# Altium PCB Inverter_540VDC_V2.1.PcbDoc (part 1 of 2)
Units mm, origin at the board's own origin, x right, y up, seen from the top; angles counter-clockwise.
Board outline 120 x 74.98 mm, 2 copper layers (Top Layer, Bottom Layer), stack 2.071 mm thick; 237 components, 120 nets, 558 pads, 101 vias.
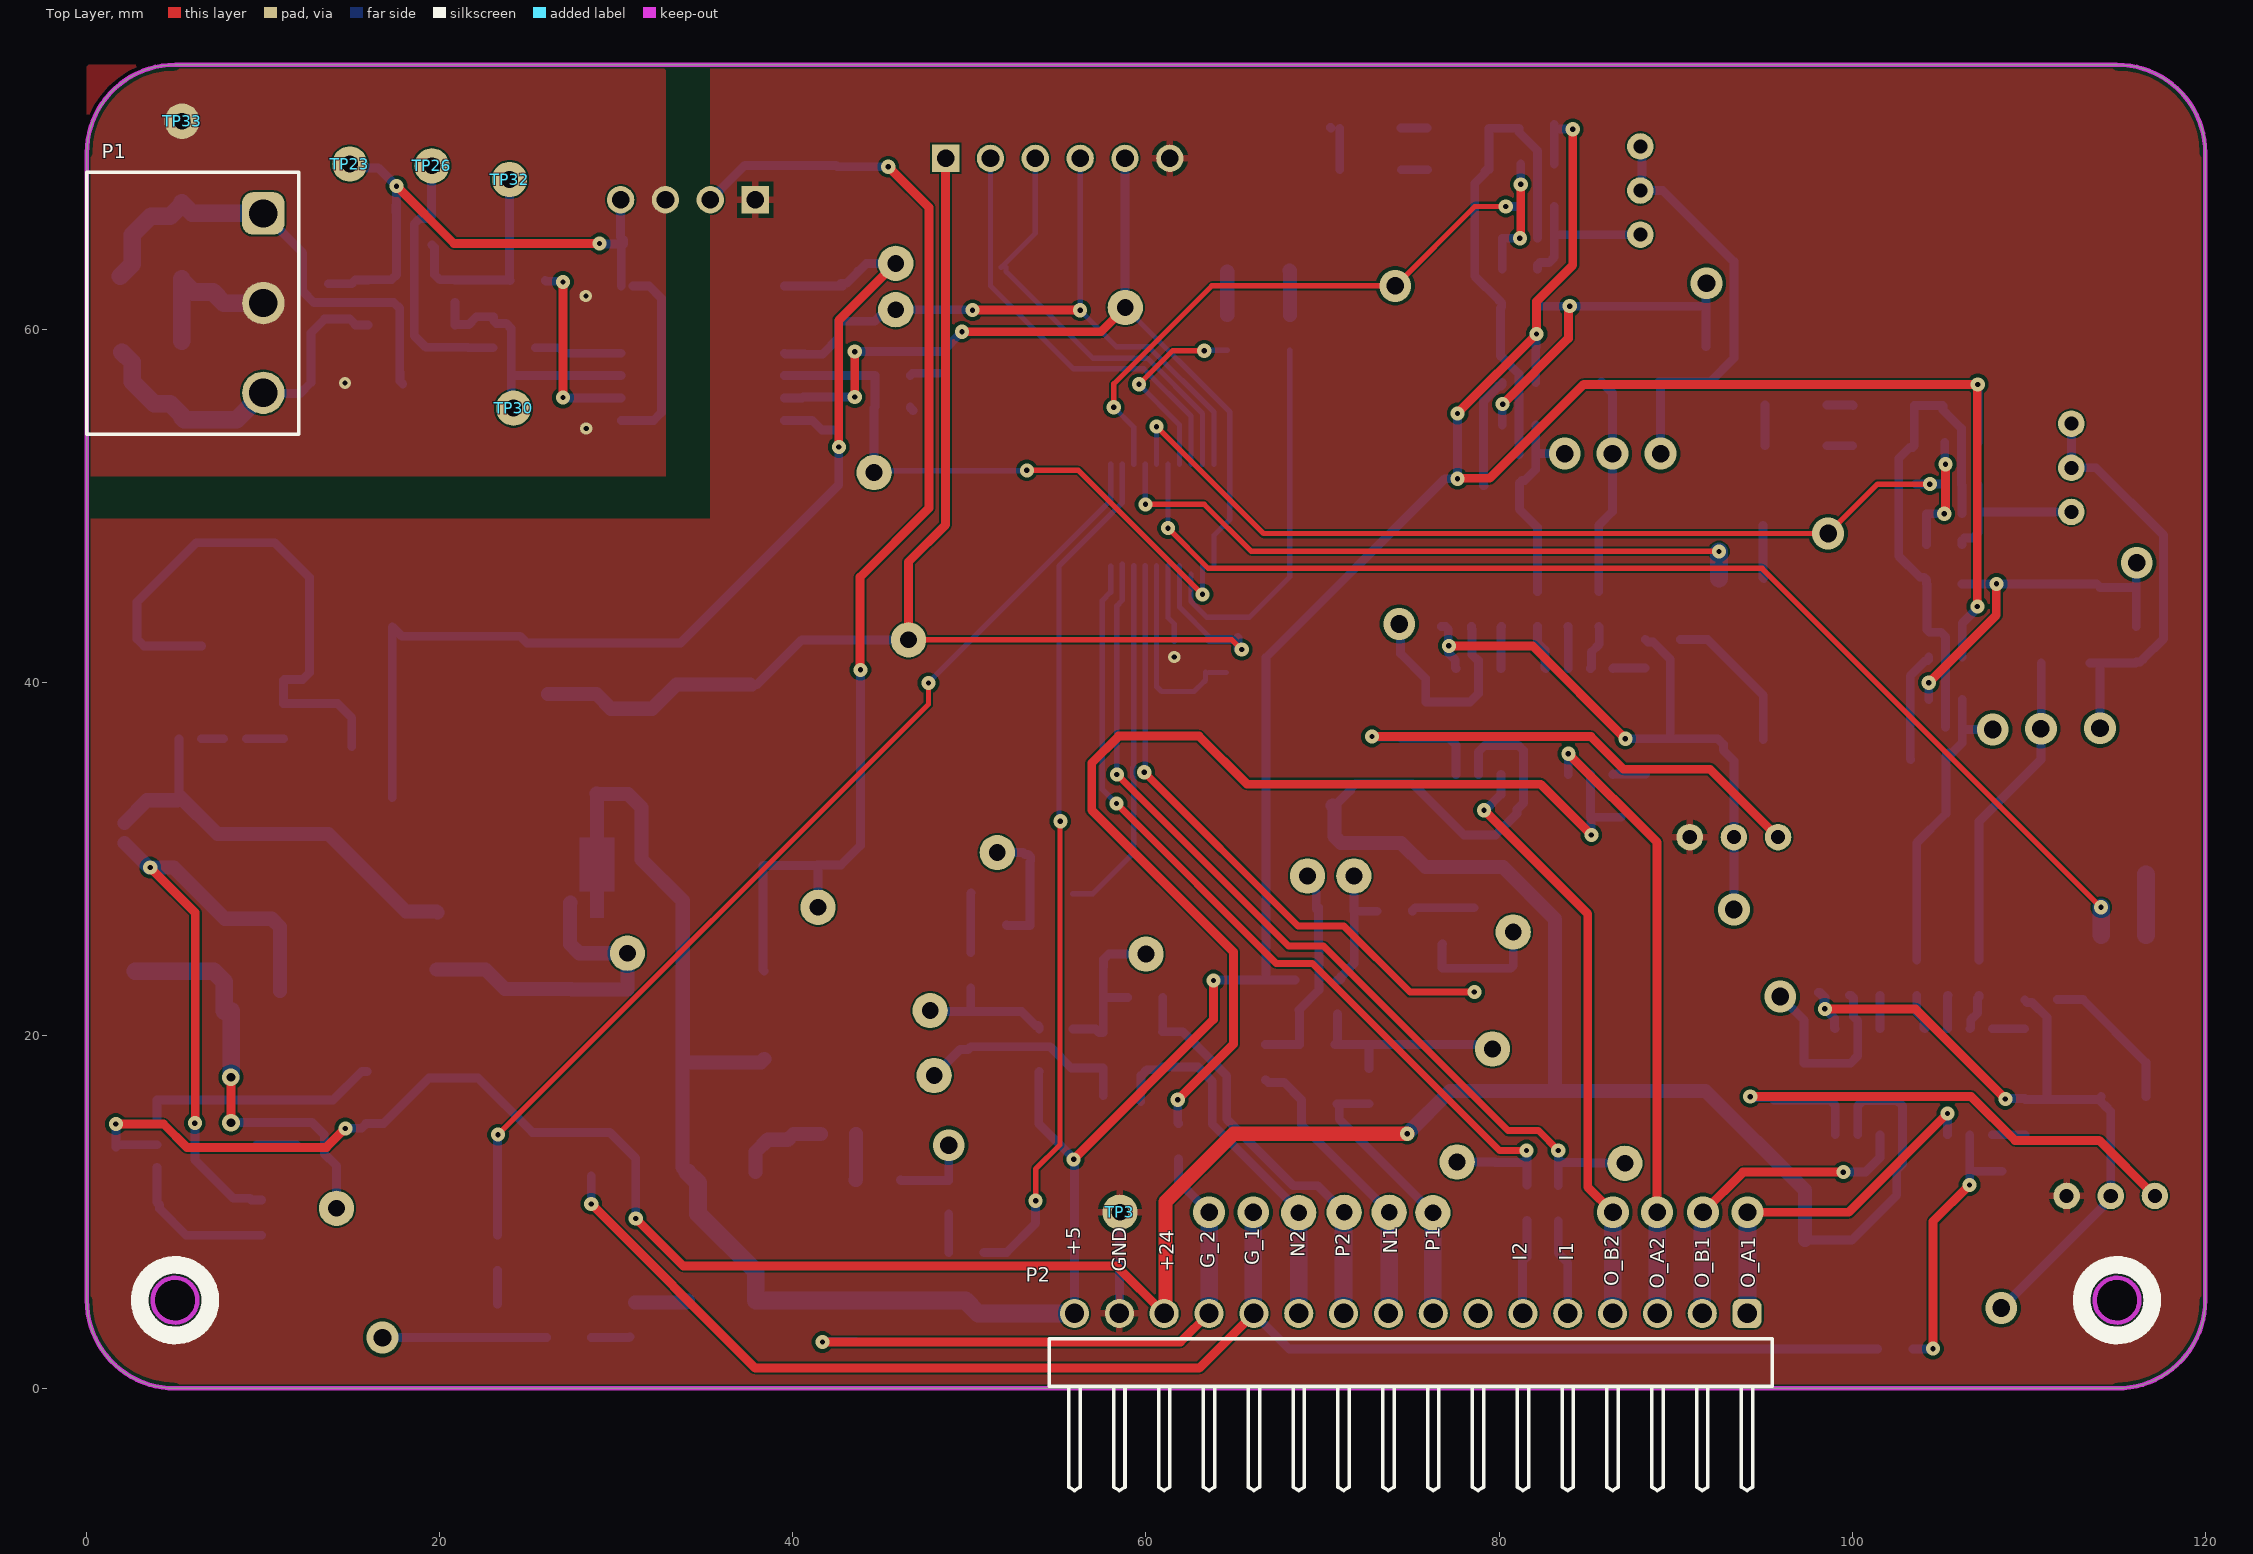
[diagram p0: Top Layer view]
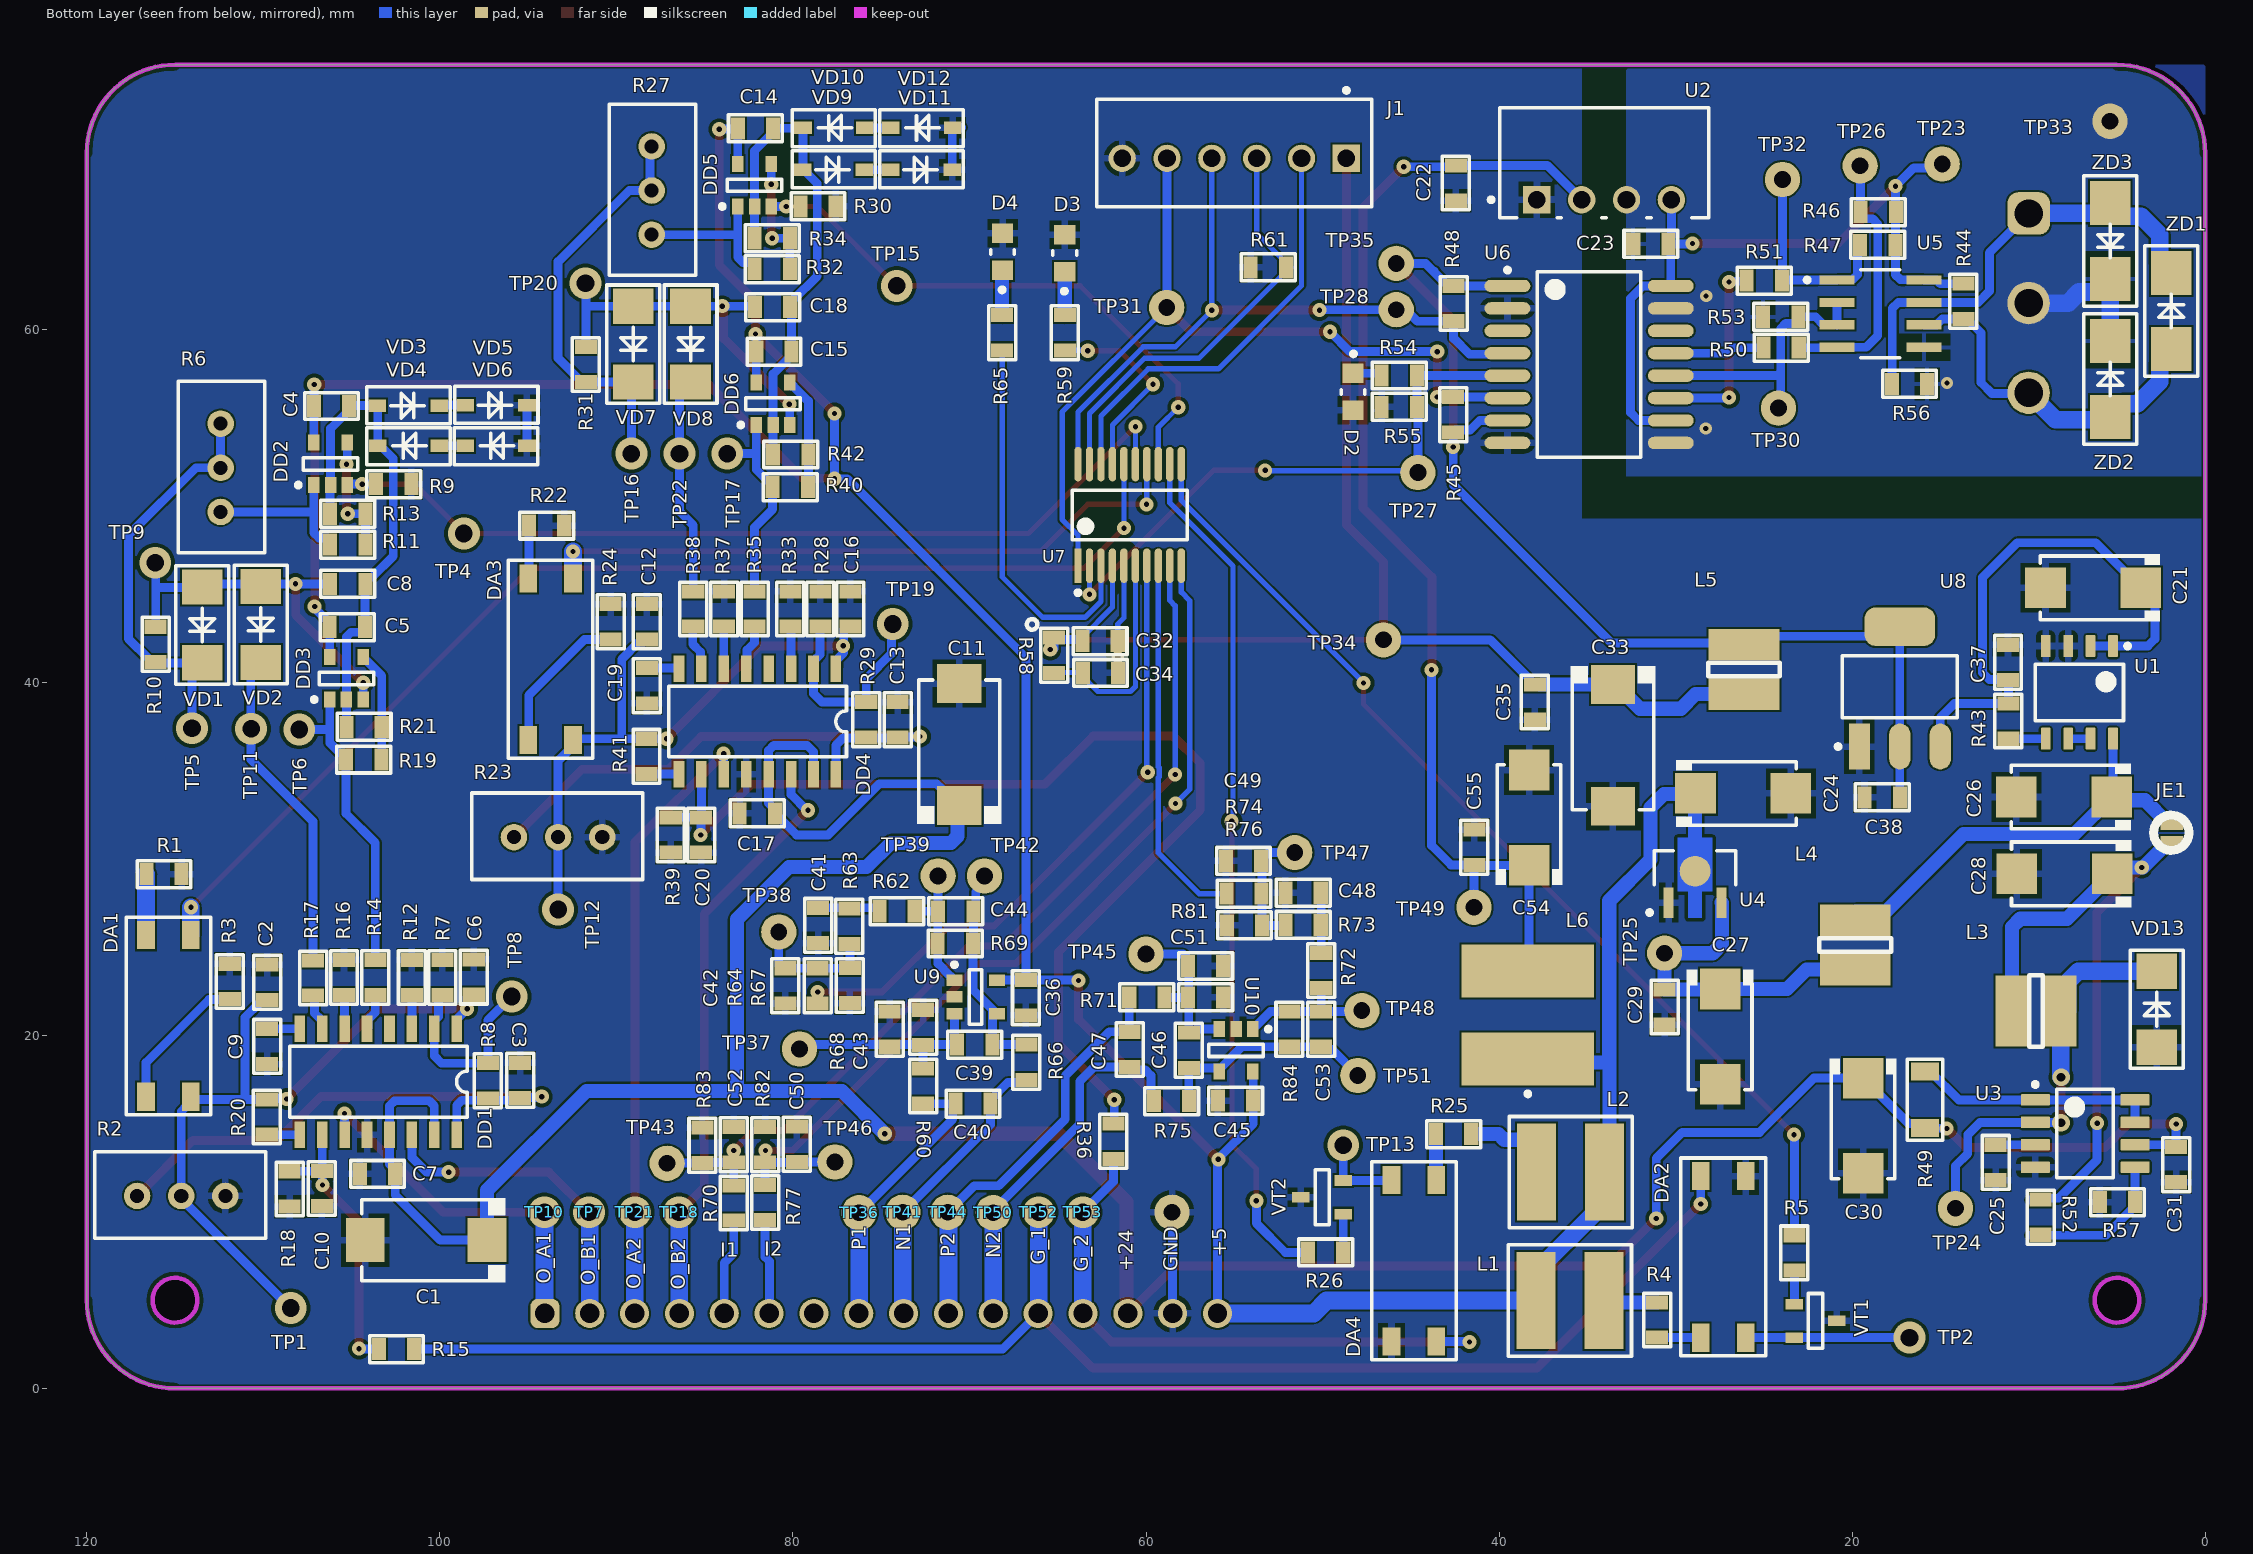
[diagram p1: Bottom Layer view, seen from below]
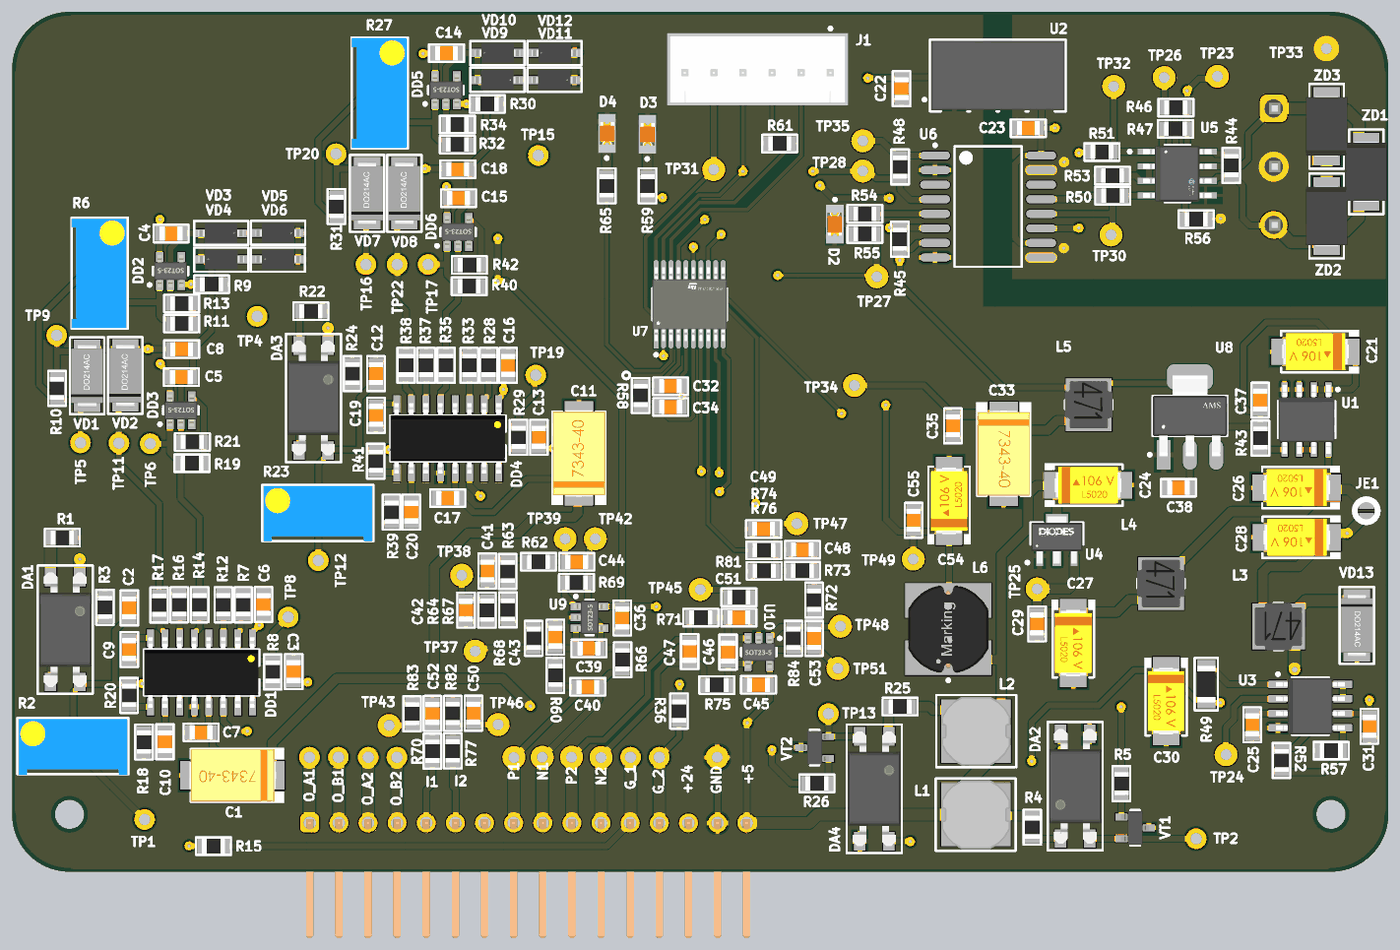
[diagram p3: 3D render of the assembled board from below, using the file's embedded part models]

## Layer stack, top to bottom
Top Solder: solder mask 0.0102, Solder Resist, Dk 3.5
Top Layer: signal copper 0.0356
Dielectric 1: dielectric 2, FR-4, Dk 4.8
Bottom Layer: signal copper 0.0356
Bottom Solder: solder mask 0.0102, Solder Resist, Dk 3.5

## Board outline
0.002,5.022 ccw(c5.002,5.022) 5.002,0.022 115.001,0.022 115,0.022 ccw(c115,5.022) 120,5.022 120,5 120,70 ccw(c115,70) 115,75 114.998,75.001 5.002,75 ccw(c5.002,70) 0.002,70 0,70
cut-out: 113.73,5.022 ccw(c115,5.022) 115,3.752 ccw(c115,5.022) 116.27,5.022 ccw(c115,5.022) 115,6.292 ccw(c115,5.022)
cut-out: 3.732,5.022 ccw(c5.002,5.022) 5.002,3.752 ccw(c5.002,5.022) 6.272,5.022 ccw(c5.002,5.022) 5.002,6.292 ccw(c5.002,5.022)

## Design rules (kind name [scope] priority, off if disabled: settings)
Clearance [All] p1: gap=0.2 ignorepadtopadclearanceinfootprint=TRUE except(0: Region-Hole Text-Hole; 0.1: Track-Track Track-SMDPad Track-THPad Track-Via Track-Fill Track-Poly Track-Region Track-Text Track-Hole SMDPad-SMDPad SMDPad-THPad SMDPad-Via SMDPad-Fill SMDPad-Poly SMDPad-Region SMDPad-Text SMDPad-Hole THPad-THPad THPad-Via THPad-Fill THPad-Poly THPad-Region THPad-Text THPad-Hole; 0.254: Region-Region Region-Text Text-Text)
ComponentClearance [All] p1: gap=-5 collisioncheckmode=3 verticalgap=0.254 showdistances=FALSE
DiffPairsRouting [All] p1: maxlimit=5 minlimit=0.254 mostfreqgap=0.254 toplayer_minwidth=0.381 toplayer_maxwidth=0.381 toplayer_prefwidth=0.381 bottomlayer_minwidth=0.381 bottomlayer_maxwidth=0.381 bottomlayer_prefwidth=0.381 maxuncoupledlength=12.7
Height [All] p1: minheight=0 maxheight=150 prefheight=50
HoleToHoleClearance [All] p1: gap=0 allowstackedmicrovias=TRUE
MinimumSolderMaskSliver [All] p1: minsoldermaskwidth=0
PlaneClearance [All] p1: clearance=0.7
PlaneConnect [All] p1: planeconnectstyle=Relief reliefexpansion=0.2 reliefentries=4 reliefconductorwidth=0.3 reliefairgap=0.1
PolygonConnect [All] p1: connectstyle=Relief reliefconductorwidth=0.254 reliefentries=4 polygonreliefangle="90 Angle" airgapwidth=0.5
RoutingVias [All] p1: holewidth=0.711 width=1.27 viastyle="Through Hole" minholewidth=0.3 minwidth=0.8 maxholewidth=0.711 maxwidth=1.27
SilkToSilkClearance [All] p1: silktosilkclearance=0
SilkToSolderMaskClearance [IsPad] p1: minsilkscreentomaskgap=0 clearancetoexposedcopper=TRUE
SolderMaskExpansion [All] p1: expansion=0.102 istentingtop=FALSE
Width [All] p1: maxlimit=7 minlimit=0.254 preferedwidth=2 minimp=50.000000 maximp=50.000000 favimp=50.000000
21 further rules are at their usual default settings.

## Components (designator, comment, footprint, x,y, rotation, side; value= is the part's Value field where it differs from the comment)
C1 "47uF_16V" CAP-TAN-D 100.779,8.421 r0 bottom
C2 "47uF" CAP-0805 109.775,23.025 r90 bottom
C3 "100nF" CAP-0805 95.454,17.471 r90 bottom
C4 "100nF" CAP-0805 106.139,55.669 r0 bottom
C5 "100nF" CAP-0805 105.239,43.144 r0 bottom
C6 "100nF" CAP-0805 98.079,23.321 r90 bottom
C7 "100nF" CAP-0805 103.529,12.171 r180 bottom
C8 "10nF" CAP-0805 105.214,45.594 r180 bottom
C9 "100nF" CAP-0805 109.779,19.396 r270 bottom
C10 "100nF" CAP-0805 106.679,11.346 r90 bottom
C11 "47uF_16V" CAP-TAN-D 70.575,36.5 r90 bottom
C12 "47uF" CAP-0805 88.275,43.45 r90 bottom
C13 "100nF" CAP-0805 74.07,37.897 r90 bottom
C14 "100nF" CAP-0805 82.125,71.4 r0 bottom
C15 "100nF" CAP-0805 81.075,58.75 r0 bottom
C16 "100nF" CAP-0805 76.745,44.172 r90 bottom
C17 "100nF" CAP-0805 82.02,32.597 r180 bottom
C18 "10nF" CAP-0805 81.15,61.275 r180 bottom
C19 "100nF" CAP-0805 88.27,39.822 r270 bottom
C20 "100nF" CAP-0805 85.195,31.372 r90 bottom
C21 "CAP-POLAR" CAP-TAN-C 6.35,45.375 r0 bottom
C22 "100nF" CAP-0805 42.45,68.3 r90 bottom
C23 "0.47uF" CAP-0805 31.4,64.85 r0 bottom
C24 "CAP-POLAR" CAP-TAN-C 26.175,33.725 r180 bottom
C25 "470pF" CAP-0805 11.875,12.825 r270 bottom
C26 "CAP-POLAR" CAP-TAN-C 8,33.525 r0 bottom
C27 "CAP-POLAR" CAP-TAN-C 27.475,19.95 r270 bottom
C28 "CAP-POLAR" CAP-TAN-C 7.975,29.175 r0 bottom
C29 "0.1uF" CAP-0805 30.625,21.625 r90 bottom
C30 "CAP-POLAR" CAP-TAN-C 19.375,14.9 r270 bottom
C31 "0.47uF" CAP-0805 1.65,12.7 r270 bottom
C32 "0.1uF" CAP-0805 62.6,42.35 r0 bottom
C33 "47uF_16V" CAP-TAN-D 33.55,36.45 r270 bottom
C34 "1uF" CAP-0805 62.575,40.55 r0 bottom
C35 "0.1uF" CAP-0805 37.975,38.9 r90 bottom
C36 "0.1uF" CAP-0805 66.8,22.15 r90 bottom
C37 "0.1uF" CAP-0805 11.175,41.15 r270 bottom
C38 "0.1uF" CAP-0805 18.3,33.5 r180 bottom
C39 "0.1uF" CAP-0805 69.7,19.5 r0 bottom
C40 "0.1uF" CAP-0805 69.8,16.15 r0 bottom
C41 "1000pF" CAP-0805 78.575,26.25 r90 bottom
C42 "1000pF" CAP-0805 80.425,22.825 r90 bottom
C43 "0.1uF" CAP-0805 72.625,20.475 r270 bottom
C44 "0.1uF" CAP-0805 70.775,27.05 r0 bottom
C45 "0.1uF" CAP-0805 54.925,16.325 r180 bottom
C46 "0.1uF" CAP-0805 57.575,19.175 r90 bottom
C47 "0.1uF" CAP-0805 60.925,19.225 r90 bottom
C48 "1000pF" CAP-0805 51.1,28.1 r180 bottom
C49 "1000pF" CAP-0805 54.475,29.9 r180 bottom
C50 "22pF" CAP-0805 79.775,13.85 r270 bottom
C51 "0.1uF" CAP-0805 56.625,22.175 r0 bottom
C52 "22pF" CAP-0805 83.35,13.825 r270 bottom
C53 "0.1uF" CAP-0805 50.075,20.375 r90 bottom
C54 "CAP-POLAR" CAP-TAN-C 38.3,32.35 r90 bottom
C55 "0.1uF" CAP-0805 41.4,30.675 r270 bottom
D2 "LED" LED_RED 48.275,56.475 r270 bottom
D3 "151031YS06000" LED_RED 64.6,64.325 r90 bottom
D4 "151031YS06000" LED_RED 68.125,64.4 r90 bottom
DA1 "PC817" 4-SMD 115.375,21.125 r270 bottom
DA2 "PC817" 4-SMD 27.305,7.475 r90 bottom
DA3 "PC817" 4-SMD 93.725,41.325 r270 bottom
DA4 "PC817" 4-SMD 44.825,7.25 r270 bottom
DD1 "SG3525" SO16-150 103.504,17.396 r270 bottom
DD2 "MCP6001" SOT-23-5 106.189,52.394 r90 bottom
DD3 "MCP6001" SOT-23-5 105.289,40.244 r90 bottom
DD4 "SG3525" SO16-150 82.025,37.8 r270 bottom
DD5 "MCP6001" SOT-23-5 82.175,68.175 r90 bottom
DD6 "MCP6001" SOT-23-5 81.125,55.8 r90 bottom
J1 "SWR25X-NRTC-S06-ST-BA" Sullins_SWR25X-NRTC-S06-ST-BA_MFG 55,70 r0 bottom locked
JE1 "Jumper" JE 1.925,31.5 r180 bottom
L1 "IND-CONST" IND-5852 35.975,5 r0 bottom
L2 "IND-CONST" IND-5852 35.95,12.275 r180 bottom
L3 "Coil" Coil_4.5x4.5_mm 9.583,21.4 r0 bottom
L4 "Coil" Coil_4.5x4.5_mm 19.825,25.15 r270 bottom
L5 "Coil" Coil_4.5x4.5_mm 26.125,40.75 r270 bottom
L6 "1000µH, 0.3A" WE-PD2_7850 38.375,21.175 r90 bottom
P1 "691701530003B" 691701530003B 6,61.5 r270 top locked
P2 "61301611021" 61301611021 75,1.5 r0 top
R1 "1K" RES-0805 115.625,29.15 r0 bottom
R2 "3296" 3296W 114.95,8.925 r90 bottom
R3 "10K" RES-0805 111.9,23.075 r270 bottom
R4 "1K" RES-0805 31.05,3.9 r90 bottom
R5 "1K" RES-0805 23.275,7.7 r270 bottom
R6 "3296" 3296W 114.414,52.469 r180 bottom
R7 "10K" RES-0805 99.853,23.296 r90 bottom
R8 "10K" RES-0805 97.279,17.446 r90 bottom
R9 "10K" RES-0805 102.614,51.244 r0 bottom
R10 "1K" RES-0805 116.095,42.169 r90 bottom
R11 "10K" RES-0805 105.214,47.819 r180 bottom
R12 "1K" RES-0805 101.578,23.296 r90 bottom
R13 "10K" RES-0805 105.214,49.569 r0 bottom
R14 "1K" RES-0805 103.654,23.296 r90 bottom
R15 "10K" RES-0805 102.45,2.25 r180 bottom
R16 "4K2" RES-0805 105.429,23.296 r90 bottom
R17 "20" RES-0805 107.179,23.271 r90 bottom
R18 "1K" RES-0805 108.504,11.321 r90 bottom
R19 "10K" RES-0805 104.314,35.644 r180 bottom
R20 "10K" RES-0805 109.803,15.396 r90 bottom
R21 "10K" RES-0805 104.289,37.494 r0 bottom
R22 "1K" RES-0805 93.95,48.9 r0 bottom
R23 "3296W" 3296W 93.6,29.25 r90 bottom
R24 "10K" RES-0805 90.325,43.45 r270 bottom
R25 "1K" RES-0805 42.575,14.425 r180 bottom
R26 "1K" RES-0805 49.825,7.725 r180 bottom
R27 "3296" 3296W 90,68.175 r180 bottom
R28 "10K" RES-0805 78.445,44.172 r90 bottom
R29 "10K" RES-0805 75.845,37.897 r90 bottom
R30 "10K" RES-0805 78.575,66.975 r0 bottom
R31 "1K" RES-0805 91.725,58.025 r90 bottom
R32 "10K" RES-0805 81.175,63.425 r180 bottom
R33 "1K" RES-0805 80.145,44.172 r90 bottom
R34 "10K" RES-0805 81.175,65.175 r0 bottom
R35 "1K" RES-0805 82.17,44.172 r90 bottom
R36 "10K" RES-0805 61.85,14.025 r270 bottom
R37 "4K2" RES-0805 83.895,44.172 r90 bottom
R38 "20" RES-0805 85.645,44.172 r90 bottom
R39 "1K" RES-0805 86.92,31.372 r90 bottom
R40 "10K" RES-0805 80.15,51.075 r180 bottom
R41 "10K" RES-0805 88.295,35.822 r90 bottom
R42 "10K" RES-0805 80.125,52.925 r0 bottom
R43 "300K" RES-0805 11.15,37.825 r270 bottom
R44 "10K" RES-0805 13.7,61.6 r90 bottom
R45 "10K" RES-0805 42.6,55.175 r270 bottom
R46 "10K" RES-0805 18.525,66.65 r180 bottom
R47 "10K" RES-0805 18.55,64.8 r180 bottom
R48 "10K" RES-0805 42.575,61.475 r90 bottom locked